# KiCad board poly_kb.kicad_pcb (continued)
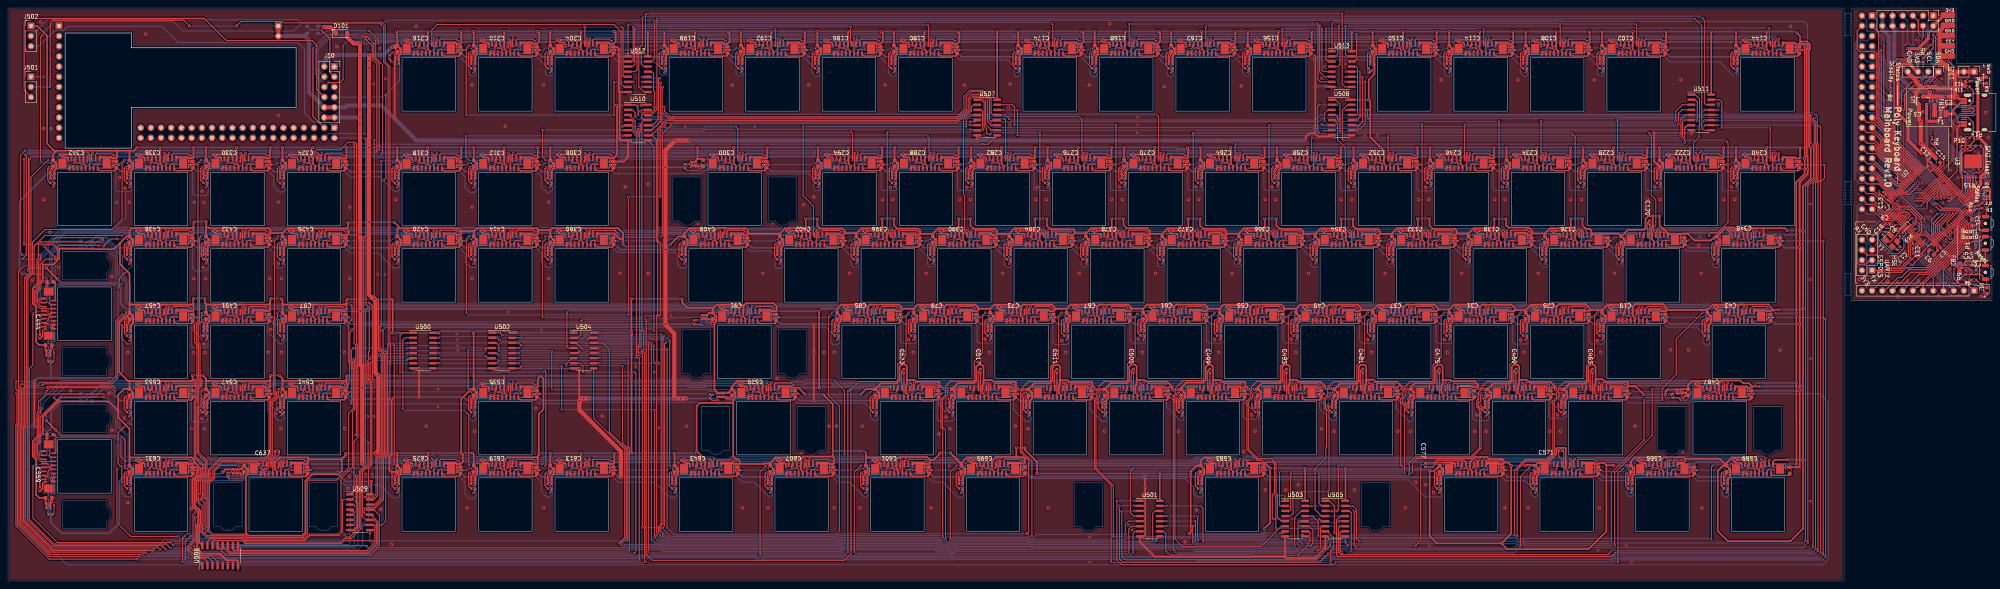
[diagram p0: board, top side]
## Routing (per net, layer and track width the routed paths; a pad name or vN(x,y) marks a point on that pad's centre or on a via; arc(x,y) is an arc through that point) (continued)
VCC: length 12.5
  Top w0.5: J2.A9 486.19,119.29 484.4,117.5 484.4,116.41 484.3,116.51 F1.2 482.68,116.41 v1(484.78,116.41) ; J2.A4 485.59,114.39 v1(485.57,114.38)
  Bottom w0.5: v1(485.57,114.38) 485.57,115.62 v1(484.78,116.41)
/Keyboard/KEY_E/LED_DIN: length 17.5
  Top w0.254: v2(359.37,84.3) 359.86,84.79 v2(361.05,84.79)
  Bottom w0.254: 361.11,84.79 v2(361.05,84.79) 361.55,85.29 365.92,85.29 366.68,86.05 368.56,86.05 368.64,86.13 370.18,86.13 LED_106.4 ; v2(359.37,84.3) 359.01,83.94 LED_107.2
/Keyboard/KEY_ESC/LED_DIN: length 31.8
  Top w0.254: v2(411.76,131.93) 412.25,132.42 v2(413.44,132.42)
  Bottom w0.254: LED_108.4 436.82,133.78 433.46,133.78 432.6,132.91 413.94,132.91 v2(413.44,132.42) 413.5,132.42 ; v2(411.76,131.93) 411.4,131.57 LED_101.2
/Keyboard/KEY_F1/LED_DIN: length 17.4
  Top w0.254: v2(392.71,131.93) 393.2,132.42 v2(394.39,132.42)
  Bottom w0.254: v2(392.71,131.93) 392.35,131.57 LED_102.2 ; LED_101.4 403.49,133.78 400.12,133.78 399.26,132.91 394.94,132.91 394.45,132.42 v2(394.39,132.42)
/Keyboard/KEY_F2/LED_DIN: length 17.5
  Top w0.254: v2(373.66,131.93) 374.15,132.42 v2(375.34,132.42)
  Bottom w0.254: LED_102.4 384.44,133.78 381.07,133.78 380.21,132.91 377.3,132.91 376.8,132.42 v2(375.34,132.42) 375.4,132.42 ; v2(373.66,131.93) 373.3,131.57 LED_103.2
/Keyboard/KEY_F3/LED_DIN: length 17.5
  Top w0.254: v2(354.61,131.93) 355.1,132.42 v2(356.29,132.42)
  Bottom w0.254: LED_103.4 365.39,133.78 362.02,133.78 361.16,132.91 358.22,132.91 357.73,132.42 v2(356.29,132.42) 356.35,132.42 ; v2(354.61,131.93) 354.25,131.57 LED_109.2
/Keyboard/KEY_Q/LED_DIN: length 17.1
  Top w0.254: v2(397.47,84.3) 397.96,84.79 v2(399.15,84.79)
  Bottom w0.254: 399.21,84.79 v2(399.15,84.79) 400.08,85.72 LED_104.4 ; v2(397.47,84.3) 397.11,83.94 LED_105.2
/Keyboard/KEY_R/LED_DIN: length 17.5
  Top w0.254: v2(340.32,84.3) 340.81,84.79 v2(342,84.79)
  Bottom w0.254: LED_107.4 351.1,86.15 347.74,86.15 346.87,85.29 344.05,85.29 343.55,84.79 v2(342,84.79) 342.06,84.79 ; v2(340.32,84.3) 339.96,83.94 LED_143.2
/Keyboard/KEY_W/LED_DIN: length 17.5
  Top w0.254: v2(378.42,84.3) 378.91,84.79 v2(380.1,84.79)
  Bottom w0.254: 380.16,84.79 v2(380.1,84.79) 381.47,84.79 381.97,85.29 384.97,85.29 385.84,86.15 389.2,86.15 LED_105.4 ; v2(378.42,84.3) 378.06,83.94 LED_106.2
/Keyboard/sheet60A8B88C/LED_DIN: length 22.5
  Top w0.254: v2(395.09,27.15) 395.58,27.64 v2(396.77,27.64)
  Bottom w0.254: 396.83,27.64 v2(396.77,27.64) 397.08,27.34 402.61,27.34 403.04,27.77 403.52,27.77 403.89,28.14 406.4,28.14 407.27,29 410.63,29 LED_34.4 ; v2(395.09,27.15) 394.73,26.79 LED_35.2
/Keyboard/sheet60A8B88D/LED_DIN: length 21.9
  Top w0.254: v2(371.28,27.15) 371.77,27.64 v2(372.96,27.64)
  Bottom w0.254: 373.02,27.64 v2(372.96,27.64) 379.8,27.64 380.3,28.14 383.24,28.14 383.67,28.57 LED_35.4 ; v2(371.28,27.15) 370.91,26.79 LED_36.2
/Keyboard/sheet60A8B88E/LED_DIN: length 59.2
  Top w0.254: v2(311.74,27.15) 312.22,27.63 v2(313.41,27.63)
  Bottom w0.254: v2(311.74,27.15) 311.38,26.79 LED_37.2 ; 313.49,27.64 313.43,27.64 v2(313.41,27.63) 313.41,28.48 314.05,29.11 348.82,29.11 349.79,28.14 358.78,28.14 359.54,28.9 361.33,28.9 361.33,28.91 362.23,28.91 363.1,28.91 LED_36.4
/Keyboard/sheet60A8B88F/LED_DIN: length 60.1
  Top w0.254: v2(252.22,26.77) 252.03,26.97 252.03,28.45 v2(252.23,28.65)
  Bottom w0.254: 295.82,28.14 295.78,28.1 ; 295.82,28.14 296.55,28.87 303.61,28.87 LED_37.4 ; 295.82,28.14 295.11,27.43 279.95,27.43 279.43,27.94 253.85,27.94 253.14,28.65 v2(252.23,28.65) ; v2(252.22,26.77) 252.2,26.79 LED_39.2
/Keyboard/sheet60A8B89A/LED_DIN: length 27
  Top w0.254: v2(46.7,27.67) 45.56,27.67 v2(45.04,27.15)
  Bottom w0.254: 57.7,28.14 57.66,28.1 ; 57.7,28.14 47.17,28.14 v2(46.7,27.67) 46.73,27.64 46.79,27.64 ; 57.7,28.14 62.84,28.14 63.26,28.57 63.52,28.57 63.8,28.85 65.5,28.85 LED_46.4 ; v2(45.04,27.15) 44.68,26.79 LED_45.2
/Keyboard/sheet60A8B89B/LED_DIN: length 30.8
  Top w0.254: v2(29.12,28.14) 29.12,35.11 v2(28.33,35.9)
  Bottom w0.254: LED_45.4 36.77,29 33.41,29 32.55,28.14 v2(29.12,28.14) 29.08,28.1 ; v2(28.33,35.9) 26.84,37.38 26.84,42.27 24.22,44.89 LED_33.2
/Keyboard/sheet60A8B890/LED_DIN: length 22.2
  Top w0.254: v2(418.9,27.15) 419.39,27.64 v2(420.58,27.64)
  Bottom w0.254: 420.64,27.64 v2(420.58,27.64) 426.29,27.64 426.79,28.14 ; v2(418.9,27.15) 418.54,26.79 LED_34.2 ; 426.79,28.14 426.75,28.1 ; 426.79,28.14 427.4,28.74 432.58,28.74 432.73,28.9 434.55,28.9 LED_38.4
/Keyboard/sheet60A8B891/LED_DIN: length 22.2
  Top w0.254: v2(228.4,27.15) 228.89,27.64 v2(230.08,27.64)
  Bottom w0.254: 236.29,28.14 236.25,28.1 ; 236.29,28.14 239.72,28.14 240.46,28.88 244.07,28.88 LED_39.4 ; 236.29,28.14 235.79,27.64 v2(230.08,27.64) 230.14,27.64 ; v2(228.4,27.15) 228.04,26.79 LED_40.2
/Keyboard/sheet60A8B892/LED_DIN: length 22.2
  Top w0.254: v2(204.59,27.15) 205.08,27.64 v2(206.27,27.64)
  Bottom w0.254: 212.48,28.14 212.44,28.1 ; 212.48,28.14 216.33,28.14 217.09,28.9 218.46,28.9 218.47,28.91 220.22,28.91 LED_40.4 ; 212.48,28.14 211.98,27.64 v2(206.27,27.64) 206.33,27.64 ; v2(204.59,27.15) 204.23,26.79 LED_41.2
/Keyboard/sheet60A8B893/LED_DIN: length 22.2
  Top w0.254: v2(180.78,27.15) 181.27,27.64 v2(182.46,27.64)
  Bottom w0.254: 182.52,27.64 v2(182.46,27.64) 188.47,27.64 188.97,28.14 ; v2(180.78,27.15) 180.41,26.79 LED_47.2 ; 188.97,28.14 188.93,28.1 ; 188.97,28.14 189.75,28.92 196.4,28.92 LED_41.4
/Keyboard/sheet60A8B894/LED_DIN: length 17.4
  Top w0.254: v2(132.45,27.64) 131.34,27.64 v2(130.78,27.08)
  Bottom w0.254: LED_42.4 141.55,29 138.19,29 137.32,28.14 133.9,28.14 ; v2(130.78,27.08) 130.49,26.79 LED_43.2 ; 133.89,28.13 133,28.13 132.51,27.64 v2(132.45,27.64)
/Keyboard/sheet60A8B895/LED_DIN: length 17.5
  Top w0.254: v2(111.72,27.15) 112.21,27.64 v2(113.4,27.64)
  Bottom w0.254: 114.85,28.14 114.81,28.1 ; 114.85,28.14 118.27,28.14 119.06,28.92 122.58,28.92 LED_43.4 ; 114.85,28.14 114.35,27.64 v2(113.4,27.64) 113.46,27.64 ; v2(111.72,27.15) 111.36,26.79 LED_44.2
/Keyboard/sheet60A8B896/LED_DIN: length 37.3
  Top w0.254: v2(73.62,27.15) 74.11,27.64 v2(75.3,27.64)
  Bottom w0.254: LED_44.4 103.45,29 100.09,29 99.22,28.14 95.8,28.14 ; 95.8,28.14 95.76,28.1 ; 95.8,28.14 75.8,28.14 v2(75.3,27.64) 75.36,27.64 75.84,28.13 ; v2(73.62,27.15) 73.26,26.79 LED_46.2
/Keyboard/sheet60F911D4/LED_DIN: length 29.4
  Top w0.254: v2(149.82,27.15) 150.31,27.64 v2(151.5,27.64)
  Bottom w0.254: 151.56,27.64 v2(151.5,27.64) 164.36,27.64 164.85,28.14 ; v2(149.82,27.15) 149.46,26.79 LED_42.2 ; 164.85,28.14 164.81,28.1 ; 164.85,28.14 168.28,28.14 169.14,29 171.53,29 171.66,28.88 172.63,28.88 LED_47.4
/Keyboard/sheet605E6B66/LED_DIN: length 17.5
  Top w0.254: v2(266.34,131.93) 266.83,132.42 v2(268.03,132.42)
  Bottom w0.254: LED_112.4 277.12,133.78 273.76,133.78 272.9,132.91 269.98,132.91 269.49,132.42 v2(268.03,132.42) 268.08,132.42 ; v2(266.34,131.93) 265.98,131.57 LED_113.2
/Keyboard/sheet605E6B67/LED_DIN: length 29.4
  Top w0.254: v2(235.39,131.93) 235.88,132.42 v2(237.07,132.42)
  Bottom w0.254: LED_113.4 258.07,133.78 254.71,133.78 253.85,132.91 250.9,132.91 250.4,132.42 v2(237.07,132.42) 237.13,132.42 ; v2(235.39,131.93) 235.02,131.57 LED_114.2
/Keyboard/sheet605E6B68/LED_DIN: length 17.5
  Top w0.254: v2(216.34,131.93) 216.83,132.42 v2(218.02,132.42)
  Bottom w0.254: LED_114.4 227.12,133.78 223.75,133.78 222.89,132.91 219.94,132.91 219.45,132.42 v2(218.02,132.42) 218.08,132.42 ; v2(216.34,131.93) 215.97,131.57 LED_115.2
/Keyboard/sheet605E9AA3/LED_DIN: length 17.5
  Top w0.254: v2(197.29,131.93) 197.78,132.42 v2(198.97,132.42)
  Bottom w0.254: LED_115.4 208.07,133.78 204.7,133.78 203.84,132.91 200.79,132.91 200.3,132.42 v2(198.97,132.42) 199.03,132.42 ; v2(197.29,131.93) 196.92,131.57 LED_116.2
/Keyboard/sheet605E9AA4/LED_DIN: length 17.5
  Top w0.254: v2(178.24,131.93) 178.73,132.42 v2(179.92,132.42)
  Bottom w0.254: LED_116.4 189.02,133.78 185.65,133.78 184.79,132.91 181.36,132.91 ; 181.36,132.91 181.32,132.88 ; 181.36,132.91 180.87,132.42 v2(179.92,132.42) 179.98,132.42 ; v2(178.24,131.93) 177.87,131.57 LED_117.2
/Keyboard/sheet605E9AA5/LED_DIN: length 26.9
  Top w0.254: v2(151.49,132.41) 150.3,132.41 v2(149.82,131.93)
  Bottom w0.254: 162.31,132.91 162.27,132.88 ; 162.31,132.91 161.81,132.41 v2(151.49,132.41) 151.5,132.42 151.56,132.42 ; 162.31,132.91 165.74,132.91 166.55,133.73 170.02,133.73 LED_117.4 ; v2(149.82,131.93) 149.46,131.57 LED_118.2
/Keyboard/sheet605E5125/LED_DIN: length 29.5
  Top w0.254: v2(323.49,131.93) 323.98,132.42 v2(325.18,132.42)
  Bottom w0.254: LED_109.4 346.34,133.78 342.97,133.78 342.11,132.91 339.02,132.91 338.52,132.42 v2(325.18,132.42) 325.23,132.42 ; v2(323.49,131.93) 323.13,131.57 LED_110.2
/Keyboard/sheet605E5126/LED_DIN: length 17.5
  Top w0.254: v2(304.44,131.93) 304.93,132.42 v2(306.13,132.42)
  Bottom w0.254: LED_110.4 315.22,133.78 311.86,133.78 311,132.91 308.11,132.91 307.61,132.42 v2(306.13,132.42) 306.18,132.42 ; v2(304.44,131.93) 304.08,131.57 LED_111.2
/Keyboard/sheet605E5127/LED_DIN: length 17.5
  Top w0.254: v2(285.39,131.93) 285.88,132.42 v2(287.08,132.42)
  Bottom w0.254: LED_111.4 296.17,133.78 292.81,133.78 291.95,132.91 289.03,132.91 288.54,132.42 v2(287.08,132.42) 287.13,132.42 ; v2(285.39,131.93) 285.03,131.57 LED_112.2
/Keyboard/sheet605ED2E9/LED_DIN: length 17.5
  Top w0.254: v2(130.77,131.93) 131.26,132.42 v2(132.45,132.42)
  Bottom w0.254: LED_118.4 141.55,133.78 138.19,133.78 137.32,132.91 133.9,132.91 ; 133.9,132.91 133.86,132.88 ; 133.9,132.91 133.4,132.42 v2(132.45,132.42) 132.51,132.42 ; LED_119.2 130.41,131.57 v2(130.77,131.93)
/Keyboard/sheet605ED2EA/LED_DIN: length 17.5
  Top w0.254: v2(111.72,131.93) 112.21,132.42 v2(113.4,132.42)
  Bottom w0.254: 113.46,132.42 v2(113.4,132.42) 114.35,132.42 114.85,132.91 ; v2(111.72,131.93) 111.36,131.57 LED_120.2 ; 114.85,132.91 118.27,132.91 119.14,133.78 122.5,133.78 LED_119.4 ; 114.85,132.91 114.81,132.88
/Keyboard/sheet607D63E0/LED_DIN: length 17.4
  Top w0.254: v2(392.71,65.25) 393.2,65.74 v2(394.39,65.74)
  Bottom w0.254: 394.45,65.74 v2(394.39,65.74) 394.89,66.24 399.8,66.24 400.53,66.98 401.76,66.98 401.79,67 402.68,67 402.68,67 403.59,67 LED_1.4 ; v2(392.71,65.25) 392.35,64.89 LED_2.2
/Keyboard/sheet607D63E1/LED_DIN: length 17.4
  Top w0.254: v2(373.66,65.25) 374.15,65.74 v2(375.34,65.74)
  Bottom w0.254: 375.4,65.74 v2(375.34,65.74) 375.84,66.24 380.7,66.24 381.43,66.97 382.69,66.97 382.72,67 383.61,67 383.64,66.97 384.57,66.97 LED_2.4 ; v2(373.66,65.25) 373.3,64.89 LED_3.2
/Keyboard/sheet607D63E2/LED_DIN: length 17.4
  Top w0.254: v2(354.61,65.25) 355.1,65.74 v2(356.29,65.74)
  Bottom w0.254: 356.35,65.74 v2(356.29,65.74) 356.79,66.24 361.16,66.24 361.9,66.98 363.67,66.98 363.69,67 364.58,67 364.59,67 365.49,67 LED_3.4 ; v2(354.61,65.25) 354.25,64.89 LED_4.2
/Keyboard/sheet607D63E3/LED_DIN: length 17.4
  Top w0.254: v2(335.56,65.25) 336.05,65.74 v2(337.24,65.74)
  Bottom w0.254: 337.3,65.74 v2(337.24,65.74) 337.74,66.24 342.65,66.24 343.38,66.97 344.57,66.97 344.57,66.98 345.46,66.98 345.47,66.97 346.46,66.97 LED_4.4 ; v2(335.56,65.25) 335.2,64.89 LED_6.2
/Keyboard/sheet607D63E4/LED_DIN: length 24.5
  Top w0.254: v2(411.76,65.25) 412.25,65.74 v2(413.44,65.74)
  Bottom w0.254: 413.5,65.74 v2(413.44,65.74) 421.99,65.74 422.48,66.24 425.45,66.24 426.2,66.98 427.93,66.98 427.94,66.99 428.83,66.99 428.85,66.98 429.8,66.98 LED_5.4 ; v2(411.76,65.25) 411.4,64.89 LED_1.2
/Keyboard/sheet607D63E5/LED_DIN: length 17.4
  Top w0.254: v2(316.51,65.25) 317,65.74 v2(318.19,65.74)
  Bottom w0.254: 318.25,65.74 v2(318.19,65.74) 318.69,66.24 323.06,66.24 323.8,66.98 325.54,66.98 325.56,67 326.45,67 326.47,66.98 327.41,66.98 LED_6.4 ; v2(316.51,65.25) 316.15,64.89 LED_7.2
/Keyboard/sheet607D63E7/LED_DIN: length 17.4
  Top w0.254: v2(297.46,65.25) 297.95,65.74 v2(299.14,65.74)
  Bottom w0.254: 299.2,65.74 v2(299.14,65.74) 299.64,66.24 304.55,66.24 305.28,66.97 306.45,66.97 307.34,66.97 307.35,66.97 308.37,66.97 LED_7.4 ; v2(297.46,65.25) 297.1,64.89 LED_8.2
/Keyboard/sheet607D63E8/LED_DIN: length 17.4
  Top w0.254: v2(278.41,65.25) 278.9,65.74 v2(280.09,65.74)
  Bottom w0.254: 280.15,65.74 v2(280.09,65.74) 281.21,65.74 281.7,66.24 285.5,66.24 286.11,66.85 287.33,66.85 287.48,67 288.37,67 288.4,66.97 289.31,66.97 LED_8.4 ; v2(278.41,65.25) 278.05,64.89 LED_9.2
/Keyboard/sheet607D63E9/LED_DIN: length 17.4
  Top w0.254: v2(259.36,65.25) 259.85,65.74 v2(261.04,65.74)
  Bottom w0.254: 262.48,66.24 262.45,66.2 ; 262.48,66.24 265.91,66.24 266.67,67 268.45,67 268.45,67.01 269.34,67.01 269.34,67 270.24,67 LED_9.4 ; 262.48,66.24 261.99,65.74 v2(261.04,65.74) 261.1,65.74 ; v2(259.36,65.25) 259,64.89 LED_10.2
/Keyboard/sheet607D63EA/LED_DIN: length 17.4
  Top w0.254: v2(240.31,65.25) 240.8,65.74 v2(241.99,65.74)
  Bottom w0.254: 242.05,65.74 v2(241.99,65.74) 242.49,66.24 246.86,66.24 247.6,66.98 249.35,66.98 249.37,67 250.26,67 250.28,66.98 251.21,66.98 LED_10.4 ; v2(240.31,65.25) 239.95,64.89 LED_11.2
/Keyboard/sheet607D63EB/LED_DIN: length 17.4
  Top w0.254: v2(221.26,65.25) 221.75,65.74 v2(222.94,65.74)
  Bottom w0.254: 223,65.74 v2(222.94,65.74) 223.44,66.24 227.81,66.24 228.54,66.97 230.29,66.97 230.32,67 231.21,67 231.24,66.97 232.17,66.97 LED_11.4 ; v2(221.26,65.25) 220.9,64.89 LED_12.2
/Keyboard/sheet607D63EC/LED_DIN: length 29.4
  Top w0.254: v2(190.3,65.25) 190.79,65.74 v2(191.98,65.74)
  Bottom w0.254: 205.33,66.24 205.3,66.2 ; 205.33,66.24 204.84,65.74 v2(191.98,65.74) 192.04,65.74 ; 205.33,66.24 208.76,66.24 209.52,67 211.3,67 211.32,67.01 212.21,67.01 212.22,67 213.09,67 LED_12.4 ; v2(190.3,65.25) 189.94,64.89 LED_13.2
/Keyboard/sheet607D63ED/LED_DIN: length 106.5
  Top w0.254: v2(84.83,65.74) 83.74,65.74 v2(83.14,65.14)
  Bottom w0.254: 174.38,66.24 174.34,66.2 ; 174.38,66.24 175.11,66.97 180.29,66.97 180.32,67 181.21,67 181.24,66.97 182.16,66.97 LED_13.4 ; 174.38,66.24 173.88,65.74 165.95,65.74 165.61,65.41 159.86,65.41 159.17,64.72 143.32,64.72 143.25,64.64 85.93,64.64 v2(84.83,65.74) 84.89,65.74 ; v2(83.14,65.14) 82.89,64.89 LED_14.2
/Keyboard/sheet607D63F2/LED_DIN: length 17.5
  Top w0.254: v2(64.09,65.21) 64.62,65.74 v2(65.74,65.74)
  Bottom w0.254: 67.22,66.24 67.18,66.2 ; 67.22,66.24 66.73,65.74 v2(65.74,65.74) 65.84,65.74 ; 67.22,66.24 70.65,66.24 71.38,66.97 75.01,66.97 LED_14.4 ; v2(64.09,65.21) 63.77,64.89 LED_15.2
/Keyboard/sheet607D63F3/LED_DIN: length 17.4
  Top w0.254: v2(45.04,65.25) 45.53,65.74 v2(46.73,65.74)
  Bottom w0.254: 46.79,65.74 v2(46.73,65.74) 47.96,65.74 48.45,66.24 51.6,66.24 52.33,66.97 53.97,66.97 54,67 55.01,67 55.04,66.97 55.95,66.97 LED_15.4 ; v2(45.04,65.25) 44.68,64.89 LED_16.2
/Keyboard/sheet607D63F4/LED_DIN: length 637
  Top w0.254: v2(440.33,84.3) 440.82,84.79 v2(442.02,84.79) ; v2(1.97,49.77) 1.97,47.76 2.6,47.13 2.6,39.04 2.34,38.78 2.34,14.08 10.36,6.06 v2(32.73,6.06) ; v2(8.02,49.54) 25.34,49.54 26.85,51.05 26.85,64.96 v2(28.44,66.55) ; v2(452.02,84.79) 452.02,65.68 451.99,65.65 451.99,6.94 451.99,6.93 v2(451.99,6.5)
  Bottom w0.254: 442.07,84.79 v2(442.02,84.79) 452.01,84.79 v2(452.02,84.79) ; v2(440.33,84.3) 439.97,83.94 LED_142.2 ; v2(32.73,6.06) 43.7,6.06 43.74,6.1 44.59,6.1 44.73,5.96 156.62,5.96 156.75,6.1 186.19,6.1 186.85,5.44 187.7,5.44 187.94,5.68 235.24,5.68 235.35,5.78 296.14,5.78 296.5,5.42 321.59,5.42 321.72,5.55 329.42,5.55 329.66,5.78 399.41,5.78 399.56,5.63 451.12,5.63 v2(451.99,6.5) ; LED_16.4 36.87,67 35.99,67 35.98,67.01 35.09,67.01 35.06,66.98 33.29,66.98 32.86,66.55 v2(28.44,66.55) ; v2(8.02,49.54) 7.61,49.13 6.25,49.13 5.61,49.77 v2(1.97,49.77)
/Keyboard/sheet608C498A/LED_DIN: length 17.4
  Top w0.254: v2(270.53,46.68) 269.36,46.68 v2(268.88,46.2)
  Bottom w0.254: v2(268.88,46.2) 268.52,45.84 LED_25.2 ; LED_24.4 273.67,47.62 272.43,46.38 270.84,46.38 v2(270.53,46.68) 270.54,46.69 270.62,46.69
/Keyboard/sheet608C498B/LED_DIN: length 17.4
  Top w0.254: v2(251.48,46.69) 250.32,46.69 v2(249.83,46.2)
  Bottom w0.254: 251.57,46.69 v2(251.48,46.69) 251.82,46.35 253.3,46.35 254.57,47.62 LED_25.4 ; v2(249.83,46.2) 249.47,45.84 LED_26.2
/Keyboard/sheet608C498C/LED_DIN: length 17.1
  Top w0.254: v2(230.78,46.2) 231.27,46.69 v2(232.47,46.69)
  Bottom w0.254: 232.52,46.69 v2(232.47,46.69) 232.74,46.97 236.13,46.97 236.78,47.62 LED_26.4 ; v2(230.78,46.2) 230.42,45.84 LED_27.2
/Keyboard/sheet608C498D/LED_DIN: length 34.5
  Top w0.254: v2(195.06,46.2) 195.55,46.69 v2(196.75,46.69)
  Bottom w0.254: 214.86,47.19 214.82,47.15 ; 214.86,47.19 213.52,45.85 197.59,45.85 v2(196.75,46.69) 196.81,46.69 ; 214.86,47.19 215.21,47.54 222.86,47.54 LED_27.4 ; v2(195.06,46.2) 194.7,45.84 LED_28.2
/Keyboard/sheet608C498E/LED_DIN: length 62.6
  Top w0.254: v2(130.77,46.2) 131.26,46.69 v2(132.45,46.69)
  Bottom w0.254: 132.51,46.69 v2(132.45,46.69) 174,46.69 174.5,47.19 182.91,47.19 183.65,47.92 185.06,47.92 185.08,47.95 185.97,47.95 186,47.92 186.92,47.92 LED_28.4 ; v2(130.77,46.2) 130.41,45.84 LED_29.2
/Keyboard/sheet608C498F/LED_DIN: length 46.6
  Top w0.254: v2(85.03,47.16) 84.47,46.6 83.22,46.6 83.15,46.53 v2(83.15,46.1)
  Bottom w0.254: LED_29.4 122.5,48.05 119.14,48.05 118.27,47.19 114.85,47.19 ; 114.85,47.19 114.81,47.15 ; 114.85,47.19 114.81,47.16 v2(85.03,47.16) 85.05,47.18 85.37,47.18 ; v2(83.15,46.1) 82.89,45.84 LED_30.2
/Keyboard/sheet608C4983/LED_DIN: length 17.3
  Top w0.254: v2(383.17,46.2) 383.58,46.61 v2(385.04,46.61)
  Bottom w0.254: LED_17.4 388.06,47.62 386.85,46.42 386.66,46.42 386.52,46.28 385.37,46.28 v2(385.04,46.61) ; v2(383.17,46.2) 382.81,45.84 LED_18.2
/Keyboard/sheet608C4984/LED_DIN: length 22
  Top w0.254: v2(364.12,47.91) 363.94,47.74 363.94,46.02 v2(364.12,45.84)
  Bottom w0.254: 364.35,47.85 364.28,47.91 v2(364.12,47.91) ; 364.35,47.85 364.72,47.85 365.87,46.69 ; 364.35,47.85 364.72,47.85 366.59,45.98 366.75,45.98 367.16,46.39 367.48,46.39 368.72,47.62 LED_18.4 ; LED_19.2 v2(364.12,45.84)
/Keyboard/sheet608C4985/LED_DIN: length 17.4
  Top w0.254: v2(345.08,46.2) 345.57,46.69 v2(346.77,46.69)
  Bottom w0.254: 346.82,46.69 v2(346.77,46.69) 347.07,46.39 348.21,46.39 348.3,46.48 348.56,46.48 349.7,47.62 LED_19.4 ; v2(345.08,46.2) 344.72,45.84 LED_20.2
/Keyboard/sheet608C4986/LED_DIN: length 17.7
  Top w0.254: v2(327.69,46.67) 326.5,46.67 v2(326.03,46.2)
  Bottom w0.254: v2(326.03,46.2) 325.67,45.84 LED_22.2 ; LED_20.4 333.02,47.62 332.59,47.19 330.4,47.19 329.57,46.36 329.25,46.36 328.93,46.04 328.32,46.04 v2(327.69,46.67) 327.76,46.67
/Keyboard/sheet608C4987/LED_DIN: length 29.3
  Top w0.254: v2(402.23,46.2) 402.72,46.69 v2(403.92,46.69)
  Bottom w0.254: 403.97,46.69 v2(403.92,46.69) 404.41,47.19 420.69,47.19 421.45,47.95 423.22,47.95 423.23,47.95 424.12,47.95 424.13,47.95 425.02,47.95 LED_21.4 ; v2(402.23,46.2) 401.87,45.84 LED_17.2
/Keyboard/sheet608C4988/LED_DIN: length 17.4
  Top w0.254: v2(306.98,46.2) 307.46,46.68 v2(308.69,46.68)
  Bottom w0.254: v2(306.98,46.2) 306.62,45.84 LED_23.2 ; LED_22.4 311.77,47.62 310.61,46.46 310.15,46.46 310.06,46.37 308.99,46.37 v2(308.69,46.68) 308.71,46.68 308.72,46.69
/Keyboard/sheet608C4989/LED_DIN: length 17.5
  Top w0.254: v2(289.58,46.63) 288.35,46.63 v2(287.92,46.2)
  Bottom w0.254: 289.67,46.69 289.61,46.63 v2(289.58,46.63) 289.98,46.22 291.51,46.22 292.91,47.62 LED_23.4 ; v2(287.92,46.2) 287.56,45.84 LED_24.2
/Keyboard/sheet608C4990/LED_DIN: length 17.5
  Top w0.254: v2(64.09,46.2) 64.58,46.69 v2(65.91,46.69)
  Bottom w0.254: 67.22,47.19 67.18,47.15 ; 67.22,47.19 66.72,46.69 v2(65.91,46.69) 65.84,46.69 65.84,46.69 ; 67.22,47.19 71.18,47.19 71.94,47.95 74.98,47.95 LED_30.4 ; v2(64.09,46.2) 63.73,45.84 LED_31.2
/Keyboard/sheet608C4991/LED_DIN: length 18.6
  Top w0.254: v2(45.03,47.35) 45.03,45.72 v2(45.05,45.7)
  Bottom w0.254: 48.17,47.19 48.13,47.15 ; 48.17,47.19 45.2,47.19 v2(45.03,47.35) 45.05,47.35 45.06,47.36 ; 48.17,47.19 52.28,47.19 53.02,47.93 54.07,47.93 54.08,47.94 54.97,47.94 54.98,47.93 55.95,47.93 LED_31.4 ; LED_32.2 44.91,45.84 v2(45.05,45.7)
/Keyboard/sheet608C4992/LED_DIN: length 604.8
  Top w0.254: v2(437.95,65.25) 438.44,65.74 v2(439.63,65.74) ; v2(2.04,46.77) 2.22,46.59 2.22,39.2 1.95,38.94 1.95,13.75 10.26,5.45 v2(32.12,5.45) ; v2(452.63,5.99) 452.6,6.02 v2(452.6,65.35) ; v2(26.57,47.2) 25.61,48.16 10.4,48.16 v2(9.47,47.23)
  Bottom w0.254: v2(437.95,65.25) 437.59,64.89 LED_5.2 ; LED_32.4 36.91,47.92 27.29,47.92 v2(26.57,47.2) ; v2(2.04,46.77) 9,46.77 v2(9.47,47.23) ; v2(452.6,65.35) 452.21,65.74 v2(439.63,65.74) ; v2(452.63,5.99) 451.88,5.24 399.4,5.24 399.25,5.4 329.82,5.4 329.58,5.16 328.09,5.16 327.96,5.04 296.34,5.04 295.98,5.4 235.51,5.4 235.4,5.29 188.1,5.29 187.86,5.06 186.69,5.06 186.04,5.71 156.91,5.71 156.78,5.57 44.57,5.57 44.43,5.71 43.89,5.71 43.63,5.45 v2(32.12,5.45)
/Keyboard/sheet609FE42E/LED_DIN: length 559.7
  Top w0.254: v2(433.19,46.2) 433.68,46.69 v2(434.87,46.69)
  Bottom w0.254: v2(433.19,46.2) 432.83,45.84 LED_21.2 ; LED_33.4 13.69,46.67 4.46,37.45 4.46,14.34 14.76,4.04 451.87,4.04 453.2,5.37 453.2,44.58 451.09,46.69 v2(434.87,46.69)
/Keyboard/sheet6069AA2F/LED_DIN: length 17.5
  Top w0.254: v2(321.27,84.3) 321.76,84.79 v2(322.95,84.79)
  Bottom w0.254: LED_143.4 332.05,86.15 328.69,86.15 327.82,85.29 324.94,85.29 324.44,84.79 v2(322.95,84.79) 323.01,84.79 ; v2(321.27,84.3) 320.91,83.94 LED_145.2
/Keyboard/sheet6069AA3A/LED_DIN: length 27
  Top w0.254: v2(83.14,84.3) 83.63,84.79 v2(84.83,84.79)
  Bottom w0.254: 95.8,85.29 95.76,85.25 ; 95.8,85.29 96.53,86.03 101.71,86.03 101.73,86.05 102.62,86.05 102.62,86.05 103.56,86.05 LED_154.4 ; 95.8,85.29 95.3,84.79 v2(84.83,84.79) 84.89,84.79 ; v2(83.14,84.3) 82.78,83.94 LED_155.2
/Keyboard/sheet6069AA3B/LED_DIN: length 17.4
  Top w0.254: v2(64.09,84.3) 64.58,84.79 v2(65.78,84.79)
  Bottom w0.254: 65.84,84.79 v2(65.78,84.79) 66.27,85.29 71.13,85.29 71.87,86.03 73.1,86.03 73.1,86.03 74.09,86.03 74.12,85.99 75.03,85.99 LED_155.4 ; v2(64.09,84.3) 63.73,83.94 LED_156.2
/Keyboard/sheet6069AA3C/LED_DIN: length 17.4
  Top w0.254: v2(45.04,84.3) 45.53,84.79 v2(46.73,84.79)
  Bottom w0.254: 48.17,85.29 48.13,85.25 ; 48.17,85.29 47.68,84.79 v2(46.73,84.79) 46.79,84.79 ; 48.17,85.29 51.6,85.29 52.33,86.02 54.08,86.02 54.1,86.04 54.99,86.04 55.01,86.02 55.95,86.02 LED_156.4 ; v2(45.04,84.3) 44.68,83.94 LED_157.2
/Keyboard/sheet6069AA3D/LED_DIN: length 29.2
  Top w0.254: v2(27.22,85.28) 25.57,85.28 v2(23.78,83.49)
  Bottom w0.254: v2(28.32,73.98) 26.84,75.47 26.84,80.36 24.22,82.98 23.83,82.98 ; LED_157.4 36.9,86.02 35.94,86.02 35.92,86.04 35.03,86.04 35.02,86.02 33.28,86.02 32.54,85.28 v2(27.22,85.28) ; LED_158.2 23.83,82.98 ; 23.83,82.98 23.78,83.02 v2(23.78,83.49)
/Keyboard/sheet6069AA3E/LED_DIN: length 645
  Top w0.254: v2(3.5,78.16) 2.61,77.27 2.61,47.66 2.98,47.29 2.98,38.88 2.72,38.62 2.72,14.24 10.34,6.62 v2(33.5,6.62) ; v2(446.76,103.84) 445.58,103.84 v2(445.09,103.35) ; v2(452.31,103.76) 452.31,100.41 451.36,99.46 v2(451.36,6.99)
  Bottom w0.254: v2(445.09,103.35) 444.73,102.99 LED_124.2 ; v2(451.36,6.99) 450.38,6.01 399.72,6.01 399.57,6.17 329.5,6.17 329.26,5.93 321.56,5.93 321.43,5.8 296.66,5.8 296.3,6.17 235.19,6.17 235.08,6.06 187.78,6.06 187.54,5.83 187,5.83 186.35,6.48 156.59,6.48 156.46,6.34 44.89,6.34 44.75,6.48 43.58,6.48 43.54,6.44 33.67,6.44 v2(33.5,6.62) ; v2(452.31,103.76) 446.84,103.76 v2(446.76,103.84) ; LED_158.4 12.86,84.76 6.65,78.55 3.89,78.55 v2(3.5,78.16)
/Keyboard/sheet6069AA30/LED_DIN: length 17.4
  Top w0.254: v2(130.77,84.3) 131.26,84.79 v2(132.45,84.79)
  Bottom w0.254: 133.9,85.29 133.86,85.25 ; 133.9,85.29 137.81,85.29 138.55,86.03 139.78,86.03 139.79,86.03 140.68,86.03 140.69,86.02 141.68,86.02 LED_144.4 ; 133.9,85.29 133.4,84.79 v2(132.45,84.79) 132.51,84.79 ; v2(130.77,84.3) 130.41,83.94 LED_153.2
/Keyboard/sheet6069AA31/LED_DIN: length 17.5
  Top w0.254: v2(302.22,84.3) 302.71,84.79 v2(303.9,84.79)
  Bottom w0.254: LED_145.4 313,86.15 309.64,86.15 308.77,85.29 305.82,85.29 305.33,84.79 v2(303.9,84.79) 303.96,84.79 ; v2(302.22,84.3) 301.86,83.94 LED_146.2
/Keyboard/sheet6069AA32/LED_DIN: length 17.5
  Top w0.254: v2(283.17,84.3) 283.66,84.79 v2(284.85,84.79)
  Bottom w0.254: LED_146.4 293.95,86.15 290.59,86.15 289.72,85.29 286.67,85.29 286.17,84.79 v2(284.85,84.79) 284.91,84.79 ; v2(283.17,84.3) 282.81,83.94 LED_147.2
/Keyboard/sheet6069AA33/LED_DIN: length 17.5
  Top w0.254: v2(264.12,84.3) 264.61,84.79 v2(265.8,84.79)
  Bottom w0.254: LED_147.4 274.9,86.15 271.54,86.15 270.67,85.29 267.71,85.29 267.22,84.79 v2(265.8,84.79) 265.86,84.79 ; v2(264.12,84.3) 263.76,83.94 LED_148.2
/Keyboard/sheet6069AA34/LED_DIN: length 17.5
  Top w0.254: v2(245.07,84.3) 245.56,84.79 v2(246.75,84.79)
  Bottom w0.254: LED_148.4 255.85,86.15 252.49,86.15 251.62,85.29 248.8,85.29 248.3,84.79 v2(246.75,84.79) 246.81,84.79 ; v2(245.07,84.3) 244.71,83.94 LED_149.2
/Keyboard/sheet6069AA35/LED_DIN: length 17.5
  Top w0.254: v2(226.02,84.3) 226.51,84.79 v2(227.7,84.79)
  Bottom w0.254: LED_149.4 236.8,86.15 233.44,86.15 232.57,85.29 229.57,85.29 229.07,84.79 v2(227.7,84.79) 227.76,84.79 ; v2(226.02,84.3) 225.66,83.94 LED_150.2